# Altium PCB PCB2.0.PcbDoc
Units mil, origin at the board's own origin, x right, y up, seen from the top; angles counter-clockwise.
Board outline 3799.48 x 2470.74 mil, 2 copper layers (Top Layer, Bottom Layer); 63 components, 40 nets, 230 pads, 89 vias.
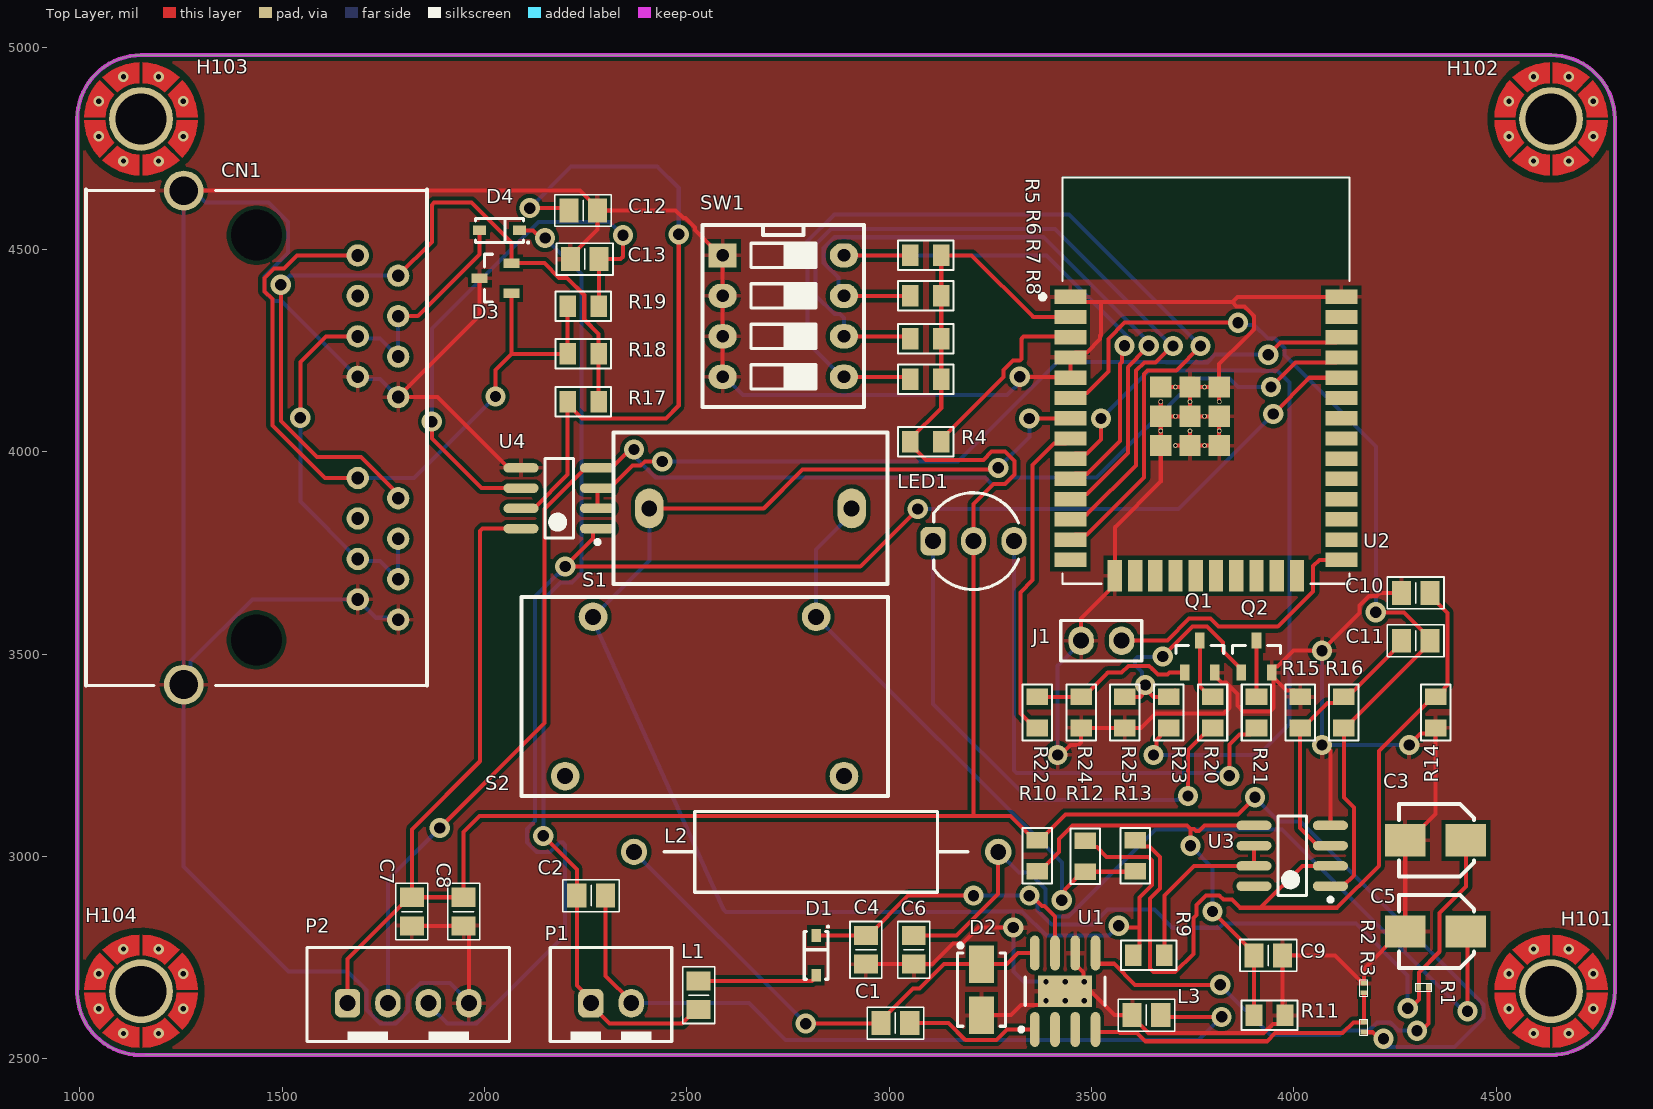
[diagram p0: Top Layer view]
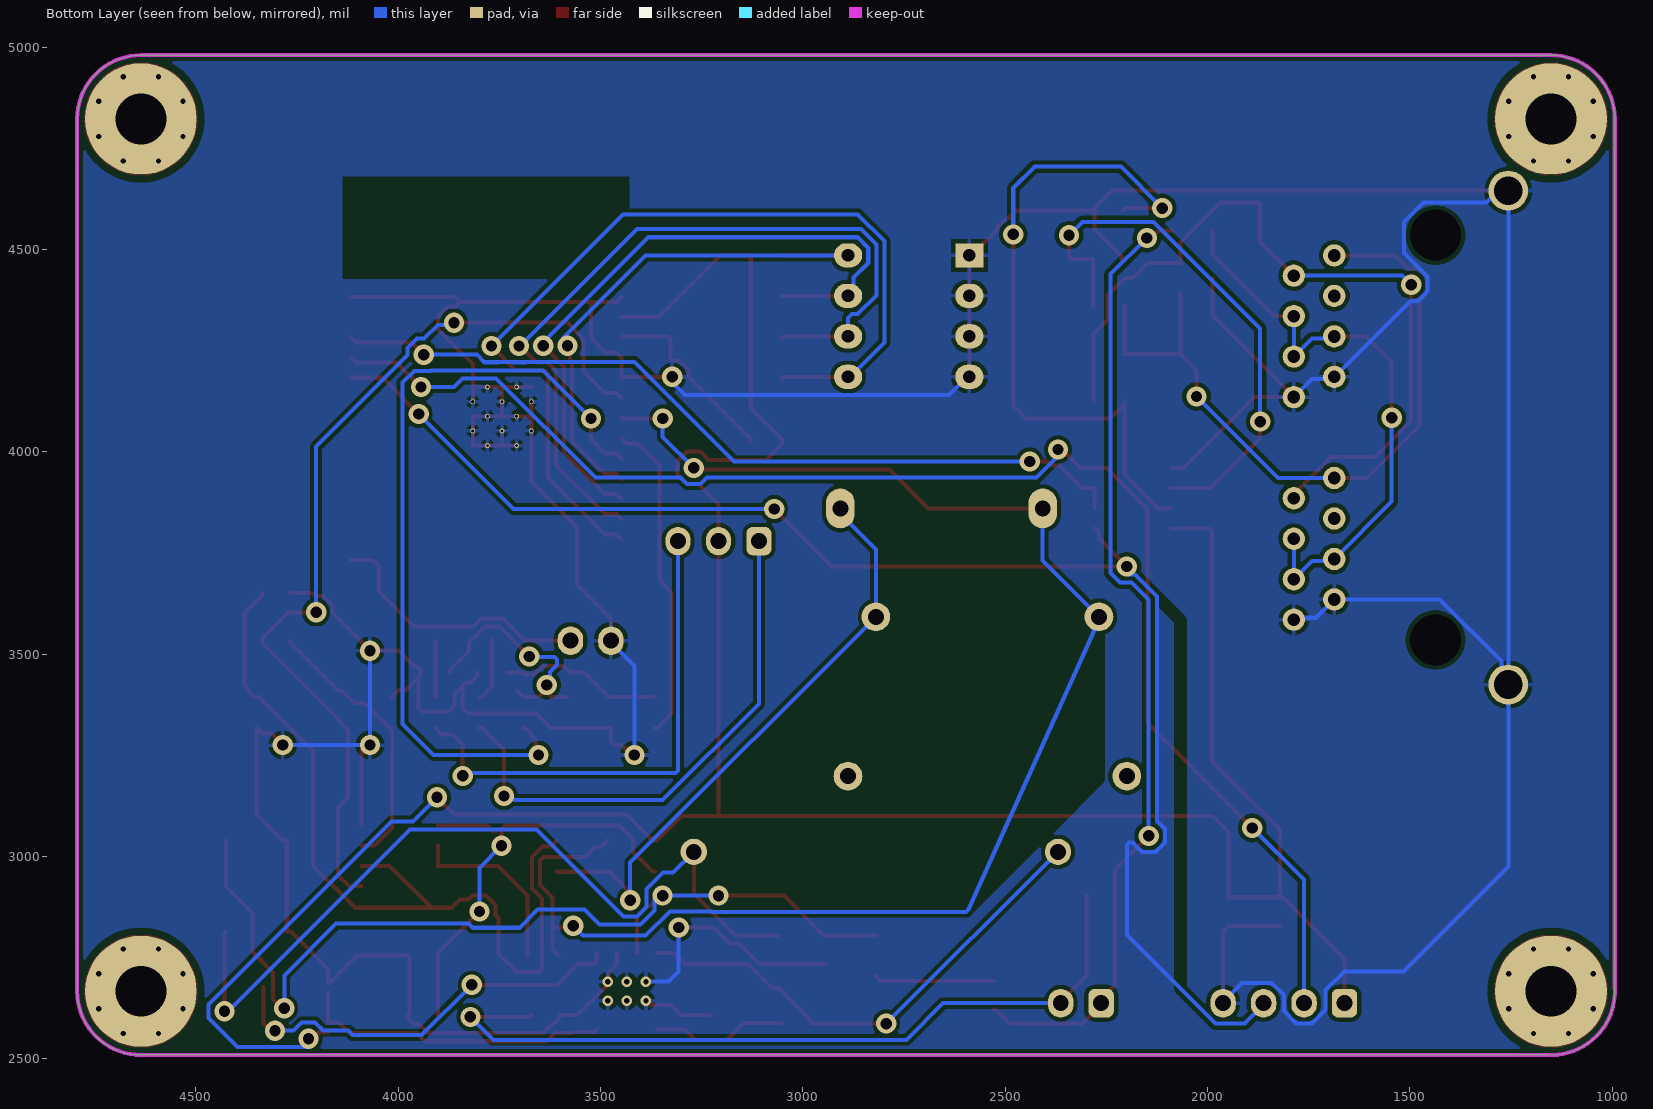
[diagram p1: Bottom Layer view, seen from below]

## Layer stack, top to bottom
Top Solder: solder mask 0.4, Solder Resist, Dk 3.5
Top Layer: signal copper 1.4
Dielectric 1: dielectric 12.6, FR-4, Dk 4.8
Bottom Layer: signal copper 1.4
Bottom Solder: solder mask 0.4, Solder Resist, Dk 3.5

## Board outline
994.09,2677.17 994.09,4822.83 cw(c1151.57,4822.83) 1151.57,4980.31 4635.83,4980.31 cw(c4635.83,4822.83) 4793.31,4822.83 4793.31,2667.32 cw(c4635.83,2667.32) 4635.83,2509.84 1161.42,2509.84 cw(c1151.57,2667.32)

## Design rules (kind name [scope] priority, off if disabled: settings)
Clearance [All] p1: gap=10 ignorepadtopadclearanceinfootprint=FALSE except(0: Arc-Hole Track-Hole SMDPad-Hole THPad-Hole Via-Hole Fill-Hole Poly-Hole Region-Hole Text-Hole)
ComponentClearance [InComponent('H*') OR InComponent('S1')] p1: gap=0 collisioncheckmode=3 verticalgap=0 showdistances=FALSE
Height [All] p1: minheight=0 maxheight=1181.1 prefheight=500
PolygonConnect [All] p1: connectstyle=Relief reliefconductorwidth=10 reliefentries=4 polygonreliefangle="90 Angle" airgapwidth=10
RoutingVias [All] p1: holewidth=28 width=50 viastyle="Through Hole" minholewidth=28 minwidth=50 maxholewidth=28 maxwidth=50
SolderMaskExpansion [All] p1: expansion=4 istentingtop=FALSE
Width [All] p1: maxlimit=78.74 minlimit=7.87 preferedwidth=15.75 minimp=50.000000 maximp=50.000000 favimp=50.000000
28 further rules are at their usual default settings.

## Classes and differential pairs
component class SlideSwitchMCU: R5 R6 R7 R8 SW1
component class RS-485: C12 C13 CN1 D3 D4 R17 R18 R19 U4
component class HighCurrentLED: LED1 Q2 R20 R21 R22 R23 R24 R25
component class ESP32-WROM-32: C7 C8 J1 P2 R4 U2
component class CurrentSensor: C9 C10 C11 R9 R10 R11 R12 R13 R14 R15 R16 S1 S2 U3
component class 3.3VRegulator: C1 C2 C3 C4 C5 C6 D1 D2 H101 H102 H103 H104 L1 L2 L3 P1 R1 R2 R3 U1

## Components (designator, comment, footprint, x,y, rotation, side; value= is the part's Value field where it differs from the comment)
C1 "10nF" "C 0805" 3015.75,2588.58 r180 top
C2 "1.2uF" "C 0805" 2263.78,2903.54 r0 top
C3 "100uF/35V" "C SMD ALU (B)" 4350.39,3040.35 r180 top
C4 "0.1uF" "C 0805" 2942.91,2769.68 r270 top
C5 "220uF/16V" "C SMD ALU (B)" 4350.39,2814.96 r180 top
C6 "0.1uF" "C 0805" 3061.02,2769.68 r270 top
C7 "0.1uF" "C 0805" 1820.87,2864.17 r270 top
C8 "22uF" "C 0805" 1948.82,2864.17 r270 top
C9 "1uF" "C 0805" 3937.01,2755.91 r180 top
C10 "100pF" "C 0805" 4301.18,3651.57 r180 top
C11 "100pF" "C 0805" 4301.18,3533.46 r0 top
C12 "N/A" "C 0805" 2244.09,4596.46 r180 top
C13 "N/A" "C 0805" 2248.03,4476.38 r180 top
CN1 "RJ45 x2" CONN/RJ45/x2 1437.01,4035.43 r270 top
D1 "Diode" SOD323 2819.69,2755.91 r270 top
D2 "SS34" "DO-214AC (SMA)" 3228.35,2671.26 r90 top
D3 "CDSOT23-SM712" SOT-23 2027.56,4429.13 r180 top
D4 "Diode" SOD323 2037.4,4547.24 r180 top
H101 "Screw Hole" SCREW/3.2/7.0/M 4635.83,2667.32 r0 top
H102 "Screw Hole" SCREW/3.2/7.0/M 4635.83,4822.83 r0 top
H103 "Screw Hole" SCREW/3.2/7.0/M 1151.57,4822.83 r0 top
H104 "Screw Hole" SCREW/3.2/7.0/M 1151.57,2667.32 r0 top
J1 "BOOT" JUMP/2/Open 3574.41,3533.46 r180 top
L1 "FB" "L 0805 (2012)" 2529.53,2657.48 r90 top
L2 "Inductor Iron" AXIAL-0.9 2819.69,3011.81 r0 top value=15mH
L3 "FB" "L 0805 (2012)" 3635.83,2608.27 r180 top
LED1 "Led 3pin 2color" "LED 3PIN 2COLOR 5MM" 3108.66,3779.53 r180 top
P1 "Header 2" HDR/Header/2/BOX/RED 2312.99,2637.8 r90 top
P2 "Header 4" HDR/Header/4/BOX/WHITE 1811.81,2637.8 r0 top
Q1 "MMBT3904LT1G" SOT-23 3767.72,3494.09 r90 top
Q2 "MMBT3904LT1G" SOT-23 3907.87,3494.09 r90 top
R1 "N/A" RES-SMD-0201 4320.87,2677.17 r180 top
R2 "10k" RES-SMD-0201 4173.23,2578.74 r270 top
R3 "5.9k" RES-SMD-0201 4173.23,2675.2 r270 top
R4 "10k" "R 0805" 3090.55,4025.59 r180 top
R5 "10k" "R 0805" 3090.55,4485.43 r0 top
R6 "10k" "R 0805" 3090.55,4385.43 r0 top
R7 "10k" "R 0805" 3090.55,4279.92 r0 top
R8 "10k" "R 0805" 3090.55,4179.92 r0 top
R9 "1k" "R 0805" 3641.73,2755.91 r180 top
R10 "1k" "R 0805" 3366.14,3001.97 r90 top
R11 "1k" "R 0805" 3939.96,2608.27 r0 top
R12 "100" "R 0805" 3484.25,3000.98 r90 top
R13 "1k" "R 0805" 3607.87,3001.97 r270 top
R14 "1k" "R 0805" 4350.39,3356.3 r90 top
R15 "1k" "R 0805" 4015.75,3356.3 r270 top
R16 "1k" "R 0805" 4124.02,3356.3 r270 top
R17 "10" "R 0805" 2244.09,4124.02 r0 top
R18 "120" "R 0805" 2244.09,4242.13 r0 top
R19 "10" "R 0805" 2244.09,4360.24 r180 top
R20 "R" "R 0805" 3799.21,3356.3 r270 top
R21 "R" "R 0805" 3907.87,3356.3 r90 top
R22 "4.7k" "R 0805" 3366.14,3356.3 r90 top
R23 "4.7k" "R 0805" 3690.94,3356.3 r270 top
R24 "47k" "R 0805" 3474.41,3356.3 r270 top
R25 "47k" "R 0805" 3582.68,3356.3 r90 top
S1 "TA12" TA12 2657.48,3860.43 r180 top
S2 "TA17" TA17 2544.09,3395.67 r180 top
SW1 "SW DIP-4" SW/DIP4 2588.58,4485.43 r270 top
U1 "TPS530" "SOIC-8 EP" 3435.04,2667.32 r90 top
U2 "ESP32-WROOM-32" MODULE_ESP32-WROOM-32 3782.87,4176.18 r0 top
U3 "LM358" SOIC-8 3996.06,3001.97 r180 top
U4 "MAX485" SOIC-8 2185.04,3885.43 r180 top

## Footprints (in the part's own frame and the unit in brackets; to place one, negate y for a bottom-side part, rotate by r counter-clockwise, add the part's x,y. Pads: shape width x height; smd on the part's side, far side on the other; paste and mask are expansions set on the pad)
AXIAL-0.9 [mm] "Axial Device, Thru-Hole; 2 Leads; 0.9 in Pin Spacing"
  round 1.65 hole 1: 1(-11.43,0) 2(11.43,0)
  silkscreen extent -9.53,-2.54 9.53,2.54
"C 0805" [mm] "Chip Capacitor, 2-Leads, Body 2.0x1.3mm, IPC Medium Density"
  rect 1.2x1.5 smd: 1(-0.9,0) 2(0.9,0)
  silkscreen extent -1.78,-1 1.78,1, body extent -1,-0.64 1,0.61, height 0.6
"C SMD ALU (B)" [mil] "SMD Aluminum Electrolytic Capacitor, size D (4.0 x 5.4 mm)"
  rect 100x80 smd: 1(-75,0) 2(75,0)
  silkscreen extent -95,-90 90,90, body extent -91,-85 91,85, height 213
CONN/RJ45/x2 [mm]
  round 1.4 hole 0.8: 1(-11.43,6.35) 2(-10.16,8.89) 3(-8.89,6.35) 4(-7.62,8.89) 5(-6.35,6.35) 6(-5.08,8.89) 7(-3.81,6.35) 8(-2.54,8.89) 11(2.54,6.35) 12(3.81,8.89) 13(5.08,6.35) 14(6.35,8.89) 15(7.62,6.35) 16(8.89,8.89) 17(10.16,6.35) 18(11.43,8.89)
  round 2.5 hole 1.8: 9(-15.5,-4.57) 10(15.5,-4.57)
  round 0 hole 3.2 unplated: HOLE(-12.7,0) HOLE(12.7,0)
  silkscreen extent -15.56,-10.7 15.56,10.7, body extent -15.5,-10.7 15.56,10.7, height 13.46
"DO-214AC (SMA)" [mm] "Molded Diode, 2-Leads, Body 4.3x2.7mm, IPC Medium Density"
  rect 2.35x1.55 smd: 1(-1.6,0) 2(1.6,0)
  silkscreen extent -2.3,-1.5 2.89,1.5, body extent -2.6,-1.3 2.6,1.3, height 2.4
HDR/Header/2/BOX/RED [mm]
  rrect50% 1.8x1.6 hole 1: 1(0,1.27)
  oval 1.8x1.6 hole 1: 2(0,-1.27)
  silkscreen extent -2.41,-3.81 3.5,3.81, body extent -2.35,-3.7 3.4,3.7, height 7
HDR/Header/4/BOX/WHITE [mm]
  rrect50% 1.6x1.8 hole 1: 1(-3.81,0)
  oval 1.6x1.8 hole 1: 2(-1.27,0) 3(1.27,0) 4(3.81,0)
  silkscreen extent -6.35,-2.41 6.35,3.5, body extent -6.2,-2.3 6.2,3.45, height 7
JUMP/2/Open [mm]
  oval 1.6x1.8 hole 1: 1(0,0) 2(2.54,0)
  silkscreen extent -1.27,-1.27 3.81,1.27, body extent -1.27,-1.27 3.81,1.27, height 8.89
"L 0805 (2012)" [mm] "Chip Capacitor, 2-Leads, Body 2.0x1.3mm, IPC Medium Density"
  rect 1.2x1.5 smd: 1(-0.9,0) 2(0.9,0)
  silkscreen extent -1.78,-1 1.78,1, body extent -1,-0.6 1,0.6, height 0.95
"LED 3PIN 2COLOR 5MM" [mil]
  rrect50% 62x70 hole 39: 1(0,0)
  oval 62x70 hole 39: 2(-100,0) 3(-200,0)
  silkscreen extent -211,-120 -2,120, body extent -218,-118 -2,118, height 335
MODULE_ESP32-WROOM-32 [mm]
  rect 2x0.9 smd: 1(-8.5,5.26) 2(-8.5,3.99) 3(-8.5,2.72) 4(-8.5,1.45) 5(-8.5,0.18) 6(-8.5,-1.09) 7(-8.5,-2.36) 8(-8.5,-3.63) 9(-8.5,-4.9) 10(-8.5,-6.17) 11(-8.5,-7.44) 12(-8.5,-8.71) 13(-8.5,-9.98) 14(-8.5,-11.25) 25(8.5,-11.25) 26(8.5,-9.98) 27(8.5,-8.71) 28(8.5,-7.44) 29(8.5,-6.17) 30(8.5,-4.9) 31(8.5,-3.63) 32(8.5,-2.36) 33(8.5,-1.09) 34(8.5,0.18) 35(8.5,1.45) 36(8.5,2.72) 37(8.5,3.99) 38(8.5,5.26)
  rect 0.9x2 smd: 15(-5.715,-12.25) 16(-4.445,-12.25) 17(-3.175,-12.25) 18(-1.905,-12.25) 19(-0.635,-12.25) 20(0.635,-12.25) 21(1.905,-12.25) 22(3.175,-12.25) 23(4.445,-12.25) 24(5.715,-12.25)
  rect 1.33x1.33 smd: 39(-2.835,-4.075) 39(-2.835,-2.24) 39(-2.835,-0.405) 39(-1,-4.075) 39(-1,-2.24) 39(-1,-0.405) 39(0.835,-4.075) 39(0.835,-2.24) 39(0.835,-0.405)
  round 0.3 hole 0.2: 39(-2.835,-3.157) 39(-2.835,-1.322) 39(-1.917,-4.075) 39(-1.917,-2.24) 39(-1.917,-0.405) 39(-1,-3.157) 39(-1,-1.322) 39(-0.082,-4.075) 39(-0.082,-2.24) 39(-0.082,-0.405) 39(0.835,-3.157) 39(0.835,-1.322)
  Top Layer pour cut-out: -9.017,12.827 -9.017,6.35 9.017,6.35 9.017,12.827
  Bottom Layer pour cut-out: -9.017,12.827 -9.017,6.35 9.017,6.35 9.017,12.827
  silkscreen extent -10.4,-12.75 9,12.75, body extent -9,-12.75 9,12.75, height 2.91
"R 0805" [mm] "Chip Resistor, 2-Leads, Body 2.0x1.3mm, IPC Medium Density"
  rect 1.05x1.35 smd: 1(-0.975,0) 2(0.975,0)
  silkscreen extent -1.75,-0.92 1.75,0.92, body extent -1,-0.61 1,0.59, height 0.5
RES-SMD-0201 [mm]
  rect 0.3x0.4 smd: 1(-0.3,0) 2(0.3,0)
  silkscreen extent -0.51,-0.25 0.51,0.25, body extent -0.3,-0.15 0.3,0.15, height 0.22
SCREW/3.2/7.0/M [mm]
  round 4 / inner round 7 / far side round 7 hole 3.2: 1(0,0)
  Top Layer pour cut-out: -4,0 -3.696,1.531 -2.828,2.828 -1.531,3.695 0,4 0,4 1.531,3.695 2.828,2.828 3.695,1.531 4,0 4,0 3.696,-1.531 2.828,-2.828 1.531,-3.696 0,-4 0,-4 -1.531,-3.696 -2.828,-2.828 -3.696,-1.531 -4,0
  Top Layer region: -2.25,0.1 -2.225,0.325 -2.175,0.575 -2.1,0.8 -2.025,0.975 -1.95,1.125 -1.875,1.25 -1.775,1.375 -1.675,1.5 -2.6,2.425 -2.775,2.225 -2.925,2.025 -3.05,1.825 -3.175,1.6 -3.275,1.375 -3.35,1.175 -3.425,0.95 -3.475,0.725 -3.5,0.6 -3.525,0.45 -3.55,0.1
  Top Layer region: -2.25,-0.1 -2.225,-0.325 -2.175,-0.575 -2.1,-0.8 -2.025,-0.975 -1.95,-1.125 -1.875,-1.25 -1.775,-1.375 -1.675,-1.5 -2.6,-2.425 -2.775,-2.225 -2.925,-2.025 -3.05,-1.825 -3.175,-1.6 -3.275,-1.375 -3.35,-1.175 -3.425,-0.95 -3.475,-0.725 -3.5,-0.6 -3.525,-0.45 -3.55,-0.1
  Top Layer region: -0.1,2.25 -0.325,2.225 -0.575,2.175 -0.8,2.1 -0.975,2.025 -1.125,1.95 -1.25,1.875 -1.375,1.775 -1.5,1.675 -2.425,2.6 -2.225,2.775 -2.025,2.925 -1.825,3.05 -1.6,3.175 -1.375,3.275 -1.175,3.35 -0.95,3.425 -0.725,3.475 -0.6,3.5 -0.45,3.525 -0.1,3.55
  Top Layer region: 0.1,2.25 0.325,2.225 0.575,2.175 0.8,2.1 0.975,2.025 1.125,1.95 1.25,1.875 1.375,1.775 1.5,1.675 2.425,2.6 2.225,2.775 2.025,2.925 1.825,3.05 1.6,3.175 1.375,3.275 1.175,3.35 0.95,3.425 0.725,3.475 0.6,3.5 0.45,3.525 0.1,3.55
  Top Layer region: 2.25,-0.1 2.225,-0.325 2.175,-0.575 2.1,-0.8 2.025,-0.975 1.95,-1.125 1.875,-1.25 1.775,-1.375 1.675,-1.5 2.6,-2.425 2.775,-2.225 2.925,-2.025 3.05,-1.825 3.175,-1.6 3.275,-1.375 3.35,-1.175 3.425,-0.95 3.475,-0.725 3.5,-0.6 3.525,-0.45 3.55,-0.1
  Top Layer region: 2.25,0.1 2.225,0.325 2.175,0.575 2.1,0.8 2.025,0.975 1.95,1.125 1.875,1.25 1.775,1.375 1.675,1.5 2.6,2.425 2.775,2.225 2.925,2.025 3.05,1.825 3.175,1.6 3.275,1.375 3.35,1.175 3.425,0.95 3.475,0.725 3.5,0.6 3.525,0.45 3.55,0.1
  Top Layer region: 0.1,-2.25 0.325,-2.225 0.575,-2.175 0.8,-2.1 0.975,-2.025 1.125,-1.95 1.25,-1.875 1.375,-1.775 1.5,-1.675 2.425,-2.6 2.225,-2.775 2.025,-2.925 1.825,-3.05 1.6,-3.175 1.375,-3.275 1.175,-3.35 0.95,-3.425 0.725,-3.475 0.6,-3.5 0.45,-3.525 0.1,-3.55
  Top Layer region: -0.1,-2.25 -0.325,-2.225 -0.575,-2.175 -0.8,-2.1 -0.975,-2.025 -1.125,-1.95 -1.25,-1.875 -1.375,-1.775 -1.5,-1.675 -2.425,-2.6 -2.225,-2.775 -2.025,-2.925 -1.825,-3.05 -1.6,-3.175 -1.375,-3.275 -1.175,-3.35 -0.95,-3.425 -0.725,-3.475 -0.6,-3.5 -0.45,-3.525 -0.1,-3.55
  Bottom Layer pour cut-out: -4,0 -3.696,1.531 -2.828,2.828 -1.531,3.695 0,4 0,4 1.531,3.695 2.828,2.828 3.695,1.531 4,0 4,0 3.696,-1.531 2.828,-2.828 1.531,-3.696 0,-4 0,-4 -1.531,-3.696 -2.828,-2.828 -3.696,-1.531 -4,0
SOD323 [mm]
  rect 0.8x0.6 smd: 1(1.25,0) 2(-1.25,0)
  silkscreen extent -1.85,-0.75 1.5,0.8, body extent -1.3,-0.67 1.3,0.68, height 1.1
SOIC-8 [mm] "SOIC, 8-Leads, Body 5.0x4.0mm (max), Pitch 1.27mm, IPC Medium Density"
  oval 2.2x0.6 smd: 1(-2.4,1.905) 2(-2.4,0.635) 3(-2.4,-0.635) 4(-2.4,-1.905) 5(2.4,-1.905) 6(2.4,-0.635) 7(2.4,0.635) 8(2.4,1.905)
  silkscreen extent -2.53,-2.5 0.9,2.88, body extent -3,-2.49 3,2.41, height 1.75
"SOIC-8 EP" [mm] "SOIC, 8-Leads, Body 5.0x4.0mm (max), Pitch 1.27mm, IPC Medium Density"
  oval 2.2x0.6 smd: 1(-2.4,1.905) 2(-2.4,0.635) 3(-2.4,-0.635) 4(-2.4,-1.905) 5(2.4,-1.905) 6(2.4,-0.635) 7(2.4,0.635) 8(2.4,1.905)
  rect 2x3.4 smd: 9(0,0)
  silkscreen extent -2.52,-2.5 0.9,2.88, body extent -3,-2.49 3,2.41, height 1.75
SOT-23 [mm] "SOT23, 3-Leads, Body 3.0x2.5mm (max), Pitch 0.95mm, IPC Medium Density"
  rect 1x0.6 smd: 1(-1,0.95) 2(-1,-0.95) 3(1,0)
  silkscreen extent 0.2,-1.5 0.7,1.5, body extent -1.28,-1.46 1.27,1.46, height 0.95
SW/DIP4 [mil]
  rect 60x70 hole 31: 1(0,0)
  oval 60x70 hole 31: 2(100,0) 3(200,0) 4(300,0) 5(300,300) 6(200,300) 7(100,300) 8(0,300)
  silkscreen extent -75,-50 375,350, body extent -50,0 350,300, height 165
TA12 [mm]
  oval 1.8x2.5 hole 1: 1(-6.35,0) 2(6.35,0)
  silkscreen extent -8.6,-4.75 8.6,4.75, body extent -8.6,-4.75 8.6,4.75, height 20.4
TA17 [mm]
  round 1.8 hole 1: 1(-7,-5) 2(7,-5) 3(8.75,5) 4(-8.75,5)
  silkscreen extent -11.5,-6.25 11.5,6.25, body extent -11.5,-6.25 11.5,6.25, height 26

## Part data
C1 C2 C4 C6 C7 C8 C9 C10 C11 C12 C13: library part "Capacitor NP", "Capacitor non-pol"
C3 C5: library part Capacitor, "Capacitor pol"
CN1: library part "CON RJ45 x2", "Connector RJ45 X2"
D1 D4: "Default Diode"
D2: library part "Diode Zener", "Zener Diode"
D3: "TVS DIODE 7V/12V 14V/26V SOT23-3"
J1: library part "JUMP 2"
L1 L3: library part Inductor, "Inductor"
L2: "Magnetic-Core Inductor", LatestRevisionDate=17-Jul-2002, LatestRevisionNote="Re-released for DXP Platform.", PackageDescription="Axial Device, Thru-Hole; 2 Leads; 0.9 in Pin Spacing", PackageReference=AXIAL-0.9, Published=24-Mar-1999, Publisher="Altium Limited"
LED1: "Typical LED 3-pin 2-color"
P1: "Header, 2-Pin"
P2: "Header, 4-Pin"
Q1 Q2: library part "Transistor NPN", "NPN Bipolar Transistor"
R1 R2 R3: library part Res-SMD, "Resistor", Manufacturer="Generic Components", Class=Passive, Published=08/06/2000, Publisher="Altium Hobart Technology Centre"
R4 R5 R6 R7 R8 R9 R10 R11 R12 R13 R14 R15 R16 R17 R18 R19 R20 R21 R22 R23 R24 R25: library part Resistor, "Resistor"
U1: library part TPS54xx, "3/5A, Wide input range, Step-down SWIFT DC-DC Converter"
U2: "Bluetooth, WiFi 802.11b/g/n, Bluetooth v4.2 + EDR, Class 1, 2 and 3 Transceiver Module 2.4GHz ~ 2.5GHz Integrated, Trace Surface Mount", PACKAGE="Module Espressif Systems", Availability=Unavailable, MF="Espressif Systems", MP=ESP32-WROOM-32D, Price=None, SnapEDA_Link=https://www.snapeda.com/parts/ESP32-WROOM-32D/Espressif%20Systems/view-part/2768115/?ref=snap
U3: "Low Power Dual Operational Amplifiers"
U4: "Low-Power, Slew-Rate-Limited  RS-485/RS-422 Transceivers"
H101 H102 H103 H104: TYPE=NO-BOM, UNIT PRICE=0

## Via types
v1: diameter 50, hole 28, Top Layer to Bottom Layer, 51 vias
v2: diameter 25.98, hole 12.99, Top Layer to Bottom Layer, 38 vias

## Nets (pads, with @x,y where several pads share a name; then routed paths per layer and width w, separated by ;. In a path a pad name is that pad's centre, name@x,y a point inside that pad or via, vN(x,y) a via of type N, cw(c..) or ccw(c..) an arc to the next point about the centre after c; other vN are vias at no path point)
3V3: C7.1 C8.1 LED1.2 P2.1 R2.2 R4.2 R5.2 R6.2 R7.2 R8.2 R10.2 U2.2 U4.8 | length 7005.3
  Top Layer w10: P2.1 1661.81,2746.46 1814.96,2899.61 C7.1 ; U4.8 1995.42,3810.43 1989.57,3804.58 1989.57,3235.63 1820.87,3066.93 C7.1 ; U2.2 3356.3,4333.27 3204.13,4485.43 R5.2 R6.2 R7.2 R8.2 3128.94,4108.27 3052.17,4031.5 R4.2 3052.17,4019.69 3091.42,3980.43 3233.12,3980.43 3253.12,4000.43 3286.25,4000.43 3309.69,3977 3309.69,3943.86 3286.25,3920.43 3257.97,3920.43 3208.66,3871.13 LED1.2 3208.66,3100.39 ; v1(3904.35,3146.47) 3861.65,3103.78 3435.47,3103.78 3372.05,3040.35 R10.2 3360.24,3040.35 3300.2,3100.39 3208.66,3100.39 ; R2.2 4174.13,2566.02 4194.81,2566.02 4210.99,2549.84 v1(4221.81,2549.84) ; C7.1 C8.1 1948.82,3061.02 1988.19,3100.39 3208.66,3100.39
  Bottom Layer w10: v1(3904.35,3146.47) 3963.86,3086.97 4016.84,3086.97 4469.13,2634.68 4469.13,2601.54 4397.43,2529.84 4227.67,2529.84 4227.67,2543.98 v1(4221.81,2549.84)
3V3/2: R9.2 R12.2 S1.2 S2.2 U2.7 | length 3784
  Top Layer w10: S1.2 2690.34,3860.43 2786.6,3956.69 3265.94,3956.69 v1(3269.69,3960.43) ; v1(3346.46,4082.44) 3447.4,4082.44 U2.7 ; R12.2 3499.92,3023.7 3513.31,3023.7 3537.76,2999.25 3640.66,2999.25 3649.45,2990.47 3649.45,2929.44 3619.02,2899.01 3619.02,2824.8 ; v1(3567.37,2829.18) 3571.75,2824.8 3619.02,2824.8 ; R9.2 3619.02,2771.57 3619.02,2824.8
  Bottom Layer w10: S1.2 2407.48,3731.5 S2.2 2268.5,3584.24 2590.93,2869.48 2596.79,2863.62 2600.93,2863.62 3225.15,2863.62 3226.33,2864.8 3329.01,2864.8 3388.69,2805.12 3543.31,2805.12 v1(3567.37,2829.18) ; v1(3269.69,3960.43) 3346.46,4037.2 v1(3346.46,4082.44)
ADC1_CH6: C11.2 R16.2 U2.6 U3.1 | length 2342.9
  Top Layer w10: U2.6 3460.94,4145.98 3489.24,4145.98 3541.73,4198.47 3541.73,4279.01 3582.03,4319.31 v1(3862.19,4319.31) ; U3.1 4122.05,2926.97 4148.86,2953.78 4148.86,3121.63 4124.02,3146.47 R16.2 4129.92,3317.91 4145.59,3333.58 4145.59,3336.54 4336.61,3527.56 C11.2 4336.61,3539.37 4272.36,3603.62 v1(4202.76,3603.62)
  Bottom Layer w10: v1(3862.19,4319.31) 3867.67,4313.83 3902.19,4313.83 3935.78,4280.24 3953.58,4280.24 3977.01,4256.8 3977.01,4239.01 4202.76,4013.26 v1(4202.76,3603.62)
GND: C3.2 C4.2 C5.2 C6.2 C7.2 C8.2 C9.1 C10.2 C12.1 C13.2 CN1.7 CN1.8 CN1.9 CN1.10 CN1.17 CN1.18 D2.1 D3.3 J1.2 L3.2 P2.4 Q1.2 Q2.2 R3.1 R11.2 R14.1 R15.1 R24.2 R25.1 SW1.1 SW1.2 SW1.3 SW1.4 U1.6 U1.9 U2.1 U2.4 U2.5 U2.15 U2.38 U2.39 U3.4 U4.5 | length 15483.9
  Top Layer w10: CN1.9 2236.22,4645.67 2279.53,4602.36 C12.1 ; C7.2 C8.2 1961.81,2815.75 P2.4 ; D3.3 1988.19,4336.61 CN1.8 1884.06,4135.43 2059.06,3960.43 U4.5 ; C13.2 2212.6,4482.28 2279.53,4549.21 C12.1 ; SW1.4 SW1.3 SW1.2 SW1.1 2583.58,4485.43 2520.32,4548.7 2520.32,4553.97 2496.88,4577.4 2491.61,4577.4 2472.56,4596.46 C12.1 ; C4.2 C6.2 3107.1,2734.25 3157.97,2785.12 3181.23,2785.12 3220.91,2824.8 v1(3307.09,2824.8) ; D2.1 3301.14,2608.27 3325.83,2632.95 3377.05,2632.95 v2(3387.8,2643.7) ; v1(3322.87,4185.43) 3446.06,4185.43 U2.5 U2.4 3460.94,4245.98 3489.24,4245.98 3521.73,4278.47 3521.73,4287.29 3523.62,4289.18 3523.62,4370.55 ; v1(3416.45,3251.17) 3424.02,3251.17 3448.52,3275.67 3468.55,3275.67 3474.41,3281.53 R24.2 3622.49,3317.91 3658.16,3353.58 3826.57,3353.58 3840.79,3367.8 3840.79,3421.57 ; U2.1 3460.94,4370.55 3523.62,4370.55 ; U1.6 3460.04,2734 3480.46,2713.58 3480.46,2692.77 v2(3482.28,2690.94) 3482.28,2683.29 3557.3,2608.27 L3.2 3600.39,2602.36 3619.02,2583.74 3621.42,2583.74 3641.42,2563.74 3925.5,2563.74 3948.46,2586.69 3962.68,2586.69 3978.35,2602.36 R11.2 3972.44,2614.17 C9.1 4102.36,2755.91 4171.26,2687.01 R3.1 4173.23,2722.8 4265.39,2814.96 C5.2 C3.2 4285.39,3040.35 4350.39,3105.35 R14.1 4336.43,3303.95 4313.68,3303.95 v1(4285.39,3275.67) ; J1.2 3474.41,3588.78 3557.87,3672.24 U2.15 3557.87,3813.78 3671.26,3927.17 3671.26,4015.75 3671.26,4051.87 U2.39@3671.26,4087.99 ; U2.39@3671.26,4124.11 U2.39@3671.26,4087.99 ; U2.39@3671.26,4160.24 3707.38,4160.24 U2.39@3743.5,4160.24 ; U2.39@3707.38,4015.75 U2.39@3743.5,4015.75 ; U2.39@3743.5,4051.87 U2.39@3743.5,4015.75 ; Q1.2 3805.12,3446.85 3821.61,3430.35 3832,3430.35 3840.79,3421.57 ; U2.39@3815.75,4124.11 U2.39@3815.75,4160.24 ; R15.1 4000.08,3410.35 3981.77,3410.35 Q2.2@3949.45,3442.68 ; v1(4069.88,3275.67) 4076.69,3275.67 4090.55,3261.81 U3.4 ; U2.38 3861.14,4383.27 3847.97,4370.1 ; C10.2 4212.6,3651.57 4204.65,3643.62 4186.19,3643.62 4162.76,3620.19 4162.76,3601.73 v1(4069.88,3508.86) 3999.41,3508.86 3959.96,3469.41 3952.09,3469.41 3945.28,3462.6 Q2.2 3945.28,3446.85 Q2.2@3949.45,3442.68 ; 3523.62,4370.55 3847.51,4370.55 3847.97,4370.1 ; U2.39@3671.26,4087.99 3707.38,4087.99 U2.39@3743.5,4087.99 ; U2.39@3743.5,4015.75 3779.63,4015.75 3815.75,4015.75 3815.75,4051.87 3815.75,4087.99 3779.63,4087.99 U2.39@3743.5,4087.99 ; U2.39@3743.5,4087.99 3743.5,4124.11 U2.39@3743.5,4160.24 ; U2.39@3743.5,4160.24 3779.63,4160.24 U2.39@3815.75,4160.24 ; U2.39@3815.75,4160.24 3815.75,4217.14 3877.91,4279.31 3878.76,4279.31 3902.19,4302.74 3902.19,4335.88 3878.76,4359.31 3858.76,4359.31 3847.97,4370.1 ; 3840.79,3421.57 3860.79,3401.57 3860.79,3373.31 3875.09,3359.02 3940.66,3359.02 3949.45,3367.8 Q2.2@3949.45,3442.68
  Bottom Layer w10: CN1.18 1782.24,3590.2 1732.24,3590.2 CN1.17 1426.71,3635.43 1274.01,3482.73 1274.01,3442.12 CN1.10 ; CN1.8 1741.78,4180.67 1691.78,4180.67 CN1.7 1499.25,4373.2 1480.49,4373.2 1457.05,4396.63 1457.05,4433.74 1515,4491.68 1515,4567.74 1466.6,4616.14 1310.54,4616.14 1281.01,4645.67 CN1.9 CN1.10 ; P2.4 1961.81,2641.73 1915.31,2688.23 1842.55,2688.23 1811.81,2657.49 1811.81,2618.1 1781.07,2587.36 1742.55,2587.36 1708.31,2621.61 1708.31,2670.22 1661.99,2716.54 1515.75,2716.54 1257.09,2975.2 CN1.10 ; SW1.4 2593.58,4185.43 2638.58,4140.43 3291.61,4140.43 3325.6,4174.42 3325.6,4182.71 v1(3322.87,4185.43) ; v1(3307.09,2824.8) 3307.09,2716.54 3332.68,2690.94 v2(3387.8,2690.94) ; v1(3416.45,3251.17) 3416.45,3471.57 3474.41,3529.53 J1.2 ; v1(4069.88,3508.86) v1(4069.88,3275.67) v1(4285.39,3275.67)
  other v2: 3435.04,2643.7 3482.28,2643.7 3435.04,2690.94
LED0: R22.1 U2.8 | length 803.8
  Top Layer w10: R22.1 3360.24,3317.91 3324.57,3353.58 3324.57,3652.85 3354.66,3682.95 3354.66,3968 3407.21,4020.55 3435.51,4020.55 U2.8
LED1: R23.2 U2.9 | length 1971.3
  Top Layer w10: U2.9 3460.94,3995.98 3489.24,3995.98 3523.62,4030.36 v1(3523.62,4082.44) ; v1(3653.24,3251.17) 3660.89,3258.83 3660.89,3287.86 3669.37,3296.34 3669.37,3302.24 3685.04,3317.91 R23.2
  Bottom Layer w10: v1(3523.62,4082.44) 3642.32,4201.14 3919.53,4201.14 3920.44,4200.24 3960.27,4200.24 3989.45,4171.06 3989.45,3328.11 3912.51,3251.17 v1(3653.24,3251.17)
NetC1_1: C1.1 U1.1 | length 336.8
  Top Layer w10: C1.1 3146.65,2588.58 3188.22,2547.01 3265.07,2547.01 3290.9,2572.83 U1.1
NetC1_2: C1.2 D2.2 L2.1 U1.8 | length 1241.9
  Top Layer w10: v1(2794.13,2587.36) 2979.09,2587.36 C1.2 2980.32,2594.49 3059.51,2673.68 3074.82,2673.68 3135.39,2734.25 D2.2 3291.15,2734.25 3318.71,2761.81 U1.8
  Bottom Layer w10: L2.1 v1(2794.13,2587.36)
NetC5_1: C5.1 C6.1 L2.2 | length 2080
  Top Layer w10: C6.1 3166.65,2805.12 3269.69,2908.16 L2.2 ; C5.1 4429.13,2811.22 v1(4429.13,2618.11)
  Bottom Layer w10: L2.2 3320.75,2960.74 3346.2,2960.74 3386.76,2920.19 3386.76,2875.57 3410.19,2852.14 3443.32,2852.14 3658.15,3066.97 3970.43,3066.97 4419.29,2618.11 v1(4429.13,2618.11)
NetC9_2: C9.2 R10.1 R11.1 U3.5 | length 1137.5
  Top Layer w10: R10.1 3372.05,2963.58 3419.59,3011.13 3419.59,3043.17 3453.39,3076.97 3736.4,3076.97 3744.68,3068.68 ; v1(3744.68,3026.97) 3744.68,3063.78 3744.68,3068.68 ; v1(3799.21,2864.17) 3901.57,2761.81 C9.2 R11.1 ; U3.5 3779.35,3076.97 3766.16,3063.78 3757.87,3063.78 3752.97,3068.68 3744.68,3068.68
  Bottom Layer w10: v1(3744.68,3026.97) 3799.21,2972.44 v1(3799.21,2864.17)
NetC10_1: C10.1 R13.1 R14.2 U3.2 | length 2120.4
  Top Layer w10: R13.1 3623.54,3024.68 3643.51,3024.68 3669.45,2998.75 3669.45,2921.16 3644.45,2896.16 3644.45,2723.12 3653.24,2714.33 3707,2714.33 3751.92,2759.25 3751.92,2848.74 3759.21,2856.04 3759.21,2880.74 3782.64,2904.17 3815.78,2904.17 3826.29,2893.66 3847.26,2893.66 3867.26,2873.66 3917.68,2873.66 ; U3.2 4020.99,2976.97 3917.68,2873.66 ; C10.1 4336.61,3645.67 4379.92,3602.36 4379.92,3424.21 4371.97,3416.26 4371.97,3410.35 4356.3,3394.69 R14.2 4344.49,3394.69 4210.39,3260.59 4210.39,2977.4 4106.66,2873.66 3917.68,2873.66
NetC11_1: C11.1 R15.2 R16.1 U3.3 | length 683.1
  Top Layer w10: U3.3 4059.06,3026.97 4015.75,3070.28 R15.2 4021.65,3317.91 4082.76,3379.02 4108.35,3379.02 R16.1 4139.69,3410.35 4148.54,3410.35 4265.75,3527.56 C11.1
NetC12_2: C12.2 R17.1 U4.7 | length 1701.1
  Top Layer w10: U4.7 2122.05,3860.43 2205.71,3944.09 R17.1@2205.71,4118.11 ; v1(2112.2,4602.36) 2202.76,4602.36 C12.2 ; R17.1 R17.1@2205.71,4118.11 ; v1(2480.32,4537.4) 2480.32,4114.17 2448.58,4082.44 2241.38,4082.44 R17.1@2205.71,4118.11
  Bottom Layer w10: v1(2112.2,4602.36) 2214.57,4704.72 2427.17,4704.72 2480.32,4651.57 v1(2480.32,4537.4)
NetC13_1: C13.1 R19.1 U4.6 | length 1369.6
  Top Layer w10: v1(1870.08,4074.8) 1870.08,4033.42 1993.06,3910.43 U4.6 ; R19.1 2283.46,4361.22 C13.1 2336.66,4476.38 2342.52,4482.24 v1(2342.52,4535.43)
  Bottom Layer w10: v1(1870.08,4074.8) 1870.08,4305.05 2133.58,4568.55 2309.4,4568.55 v1(2342.52,4535.43)
NetD1_1: D1.1 L1.2 | length 298.2
  Top Layer w10: L1.2 2809.84,2692.91 2819.69,2702.76 D1.1
NetJ1_1: J1.1 U2.25 | length 679
  Top Layer w10: J1.1 3642.81,3533.46 3643.75,3534.4 3687.66,3534.4 3741.41,3588.15 3794.03,3588.15 3814.03,3568.15 3960.43,3568.15 4047.48,3655.2 4047.48,3717.59 4063.15,3733.27 U2.25
NetLED1_1: LED1.1 R20.2 | length 1331.4
  Top Layer w10: v1(3738.65,3149.61) 3738.65,3263.26 3793.31,3317.91 R20.2
  Bottom Layer w10: LED1.1 3108.66,3377.56 3346.46,3139.76 3712.8,3139.76 3714.99,3141.95 3731,3141.95 v1(3738.65,3149.61)
NetLED1_3: LED1.3 R21.1 | length 1266
  Top Layer w10: v1(3840.79,3199.5) 3840.79,3277.24 3865.79,3302.24 3892.2,3302.24 R21.1
  Bottom Layer w10: LED1.3 3308.66,3212.94 3314.52,3207.09 3833.2,3207.09 v1(3840.79,3199.5)
NetQ1_1: Q1.1 R22.2 R24.1 | length 407.1
  Top Layer w10: R22.2 R24.1 3480.31,3394.68 3540.35,3454.72 3574.52,3454.72 3591.26,3471.46 3642.32,3471.46 3649.57,3464.21 3649.71,3464.21 3664.2,3449.72 3687.83,3449.72 3692.84,3454.72 Q1.1
NetQ1_3: Q1.3 R20.1 | length 155.3
  Top Layer w10: Q1.3 3767.72,3420.28 3793.31,3394.69 R20.1
NetQ2_1: Q2.1 R23.1 R25.2 | length 603.8
  Top Layer w10: R25.2 3621.42,3394.69 3625.49,3398.75 3625.49,3416.56 v1(3633.14,3424.21) 3633.14,3415.23 3653.68,3394.69 R23.1 R23.1@3706.61,3410.35 ; v1(3675.95,3494.4) 3749.69,3568.15 3785.74,3568.15 3824.7,3529.19 3824.7,3508.37 3870.47,3462.6 Q2.1
  Bottom Layer w10: v1(3633.14,3424.21) 3625.49,3431.87 3625.49,3456.2 3607.83,3473.86 3607.83,3486.89 3613.69,3492.75 3674.29,3492.75 v1(3675.95,3494.4)
NetQ2_3: Q2.3 R21.2 | length 138.8
  Top Layer w10: R21.2 Q2.3
NetR1_1: R1.1 U1.5 | length 1036.6
  Top Layer w10: U1.5 3510.04,2741.61 3516.33,2735.31 3555.48,2735.31 3607.51,2683.29 v1(3818.28,2683.29) ; v1(4304.37,2569.84) 4315.16,2569.84 4332.68,2587.36 R1.1
  Bottom Layer w10: v1(3818.28,2683.29) 3942.51,2559.06 4112.64,2559.06 4123.42,2569.84 4185.24,2569.84 4205.24,2589.84 4238.38,2589.84 4258.38,2569.84 v1(4304.37,2569.84)
NetR2_1: R2.1 R3.2 U1.4 | length 767.5
  Top Layer w10: U1.4 3515.94,2566.93 3567.37,2566.93 3570.56,2563.74 3613.14,2563.74 3633.14,2543.74 3933.79,2543.74 3953.79,2563.74 4120.83,2563.74 4147.64,2590.55 R2.1 R3.2
NetR4_1: R4.1 U2.3 | length 470.4
  Top Layer w10: R4.1 3128.94,4031.5 3282.87,4185.43 3282.87,4202 3306.31,4225.43 3322.87,4225.43 3326.77,4229.33 3326.77,4279.58 3332.63,4285.43 3446.06,4285.43 U2.3
NetR9_1: R9.1 U3.6 U3.7 | length 449.5
  Top Layer w10: R9.1 3680.12,2903.54 3753.54,2976.97 U3.7 U3.6
NetR12_1: R12.1 R13.2 S1.1 S2.1 | length 1477.9
  Top Layer w10: v1(3426.76,2892.14) 3434.41,2899.8 3434.41,2918.66 3478.35,2962.6 R12.1 3606.89,2962.6 R13.2
  Bottom Layer w10: S1.1 2907.48,3846.65 2819.69,3758.86 S2.1 3426.76,2985.45 v1(3426.76,2892.14)
PGND: C2.2 L3.1 P1.2 | length 1963.8
  Top Layer w10: C2.2 2299.21,2705.51 2362.99,2641.73 P1.2 ; L3.1 3675.58,2603.94 v1(3821.61,2603.94)
  Bottom Layer w10: P1.2 2653.34,2637.8 2743.78,2547.36 3765.03,2547.36 v1(3821.61,2603.94)
RS485_5V: CN1.4 CN1.5 CN1.6 CN1.14 CN1.15 CN1.16 D4.1 | length 1478.5
  Top Layer w10: v1(1545.28,4084.65) 1545.28,4222.44 1608.27,4285.43 CN1.5 ; CN1.4 1835.43,4335.43 1988.19,4488.19 D4.1
  Bottom Layer w10: v1(1545.28,4084.65) 1545.28,3877.17 CN1.15 1691.78,3730.67 1741.78,3730.67 CN1.16 CN1.14 ; CN1.5 1691.78,4280.67 1741.78,4280.67 CN1.6 CN1.4
RS485_A: CN1.1 CN1.11 D3.1 R18.1 R19.2 | length 1842.1
  Top Layer w10: CN1.11 1605.91,3935.43 1476.38,4064.96 1476.38,4377.3 1457.05,4396.63 1457.05,4429.76 1480.49,4453.2 1504.77,4453.2 1537.01,4485.43 CN1.1 ; v1(2027.56,4137.01) 2027.56,4202.76 2066.93,4242.13 ; D3.1 2066.93,4242.13 ; R19.2 R18.1 2066.93,4242.13
  Bottom Layer w10: CN1.11 1825.98,3935.43 v1(2027.56,4137.01)
RS485_B: CN1.2 CN1.12 D3.2 R17.2 R18.2 | length 2002.2
  Top Layer w10: v1(1497.05,4413.2) 1497.05,4076.3 1586.4,3986.95 1695.67,3986.95 1787.01,3895.62 CN1.12 ; CN1.2 1870.08,4518.5 1870.08,4610.28 1875.94,4616.14 1968.06,4616.14 2066.93,4517.28 D3.2 2148.08,4466.54 2184.83,4429.78 2204.62,4429.78 2246.81,4387.59 2246.81,4327.45 2282.48,4291.78 R18.2 R17.2
  Bottom Layer w10: v1(1497.05,4413.2) 1519.29,4435.43 CN1.2
RS485_EN: U2.36 U4.2 U4.3 | length 2044
  Top Layer w10: U4.2 U4.3 2311.02,3910.43 2366.5,3965.91 2386.25,3965.91 2396.73,3976.38 v1(2439.76,3976.38) ; v1(3937.01,4240.24) 3967.32,4270.55 4104.8,4270.55 U2.36
  Bottom Layer w10: v1(2439.76,3976.38) 3170.39,3976.38 3416.45,4222.44 3684.2,4222.44 3685.16,4221.48 3718.29,4221.48 3719.25,4222.44 3752.16,4222.44 3753.12,4221.48 3786.25,4221.48 3805.01,4240.24 v1(3937.01,4240.24)
RXD0: P2.3 U2.34 U4.1 | length 3760
  Top Layer w10: U4.1 2274.42,3810.43 2268.13,3804.14 2268.13,3785.43 v1(2199.61,3716.91) 2928.82,3716.91 v1(3070.87,3858.96) ; v1(3949.45,4093.74) 4038.98,4183.27 U2.34
  Bottom Layer w10: P2.3 1861.81,2633.86 1908.31,2587.36 1981.07,2587.36 2199.61,2805.9 2199.61,3028.55 2193.75,3034.41 2185.46,3034.41 2162.24,3011.18 2129.1,3011.18 2105.67,3034.61 2105.67,3067.75 2125.67,3087.75 2125.67,3642.98 2179.61,3696.91 2193.75,3696.91 2199.61,3702.77 v1(2199.61,3716.91) ; v1(3070.87,3858.96) 3714.67,3858.96 v1(3949.45,4093.74)
SW1: R5.1 SW1.8 U2.10 | length 1376.6
  Top Layer w10: SW1.8 R5.1 ; U2.10 3460.94,3945.98 3489.24,3945.98 3570.08,4026.82 3570.08,4217.48 3575.04,4222.44 3575.04,4255.75 v1(3581.73,4262.44)
  Bottom Layer w10: SW1.8 3388.58,4485.43 3592.52,4281.5 3581.73,4270.71 v1(3581.73,4262.44)
SW2: R6.1 SW1.7 U2.11 | length 1708.2
  Top Layer w10: SW1.7 R6.1 ; U2.11 3460.94,3895.98 3489.24,3895.98 3590.08,3996.82 3590.08,4209.2 3612.52,4231.64 3612.52,4233.23 v1(3641.73,4262.44)
  Bottom Layer w10: SW1.7 2874.94,4399.07 2874.94,4430.43 2838.58,4466.79 2838.58,4504.07 2864.94,4530.43 3381.1,4530.43 3641.73,4269.8 v1(3641.73,4262.44)
SW3: R7.1 SW1.6 U2.12 | length 2022.6
  Top Layer w10: SW1.6 3046.65,4285.43 R7.1 ; U2.12 3460.94,3845.98 3489.24,3845.98 3610.08,3966.82 3610.08,4200.91 3630.58,4221.42 3658.87,4221.42 3688.32,4250.87 3701.72,4250.87 v1(3701.72,4261.48)
  Bottom Layer w10: SW1.6 2888.58,4330.43 2878.58,4340.43 2864.94,4340.43 2818.58,4386.79 2818.58,4512.36 2856.66,4550.43 3410.31,4550.43 3699.26,4261.48 v1(3701.72,4261.48)
SW4: R8.1 SW1.5 U2.13 | length 2343.8
  Top Layer w10: SW1.5 3046.65,4185.43 R8.1 ; U2.13 3460.94,3795.98 3489.24,3795.98 3630.08,3936.82 3630.08,4192.63 3638.87,4201.42 3709.62,4201.42 v1(3769.68,4261.48)
  Bottom Layer w10: SW1.5 2883.58,4185.43 2798.58,4270.43 2798.58,4520.64 2864.56,4586.61 3444.55,4586.61 v1(3769.68,4261.48)
TXD0: P2.2 U2.35 U4.4 | length 3602.7
  Top Layer w10: v1(1889.76,3070.87) 2148.86,3329.96 2148.86,3858.96 2250.33,3960.43 U4.4 2314.71,3960.43 2360.18,4005.91 v1(2369.69,4005.91) ; v1(3943.7,4160.24) 4004.02,4220.55 4104.8,4220.55 U2.35
  Bottom Layer w10: P2.2 1761.81,2942.91 v1(1889.76,3070.87) ; v1(2369.69,4005.91) 2369.69,3989.89 2423.2,3936.38 3237.17,3936.38 3253.12,3920.43 3286.25,3920.43 3302.2,3936.38 3513.09,3936.38 3757.85,4181.14 3841.47,4181.14 3862.37,4160.24 v1(3943.7,4160.24)
VIN: C2.1 D4.2 L1.1 P1.1 | length 2407.3
  Top Layer w10: D4.2 2120.63,4547.24 2139.32,4528.55 v1(2150.14,4528.55) ; v1(2145.67,3051.18) 2228.35,2968.5 C2.1 2228.35,2682.07 2262.99,2647.42 P1.1 2262.99,2633.86 2309.49,2587.36 2488.94,2587.36 2523.62,2622.05 L1.1
  Bottom Layer w10: v1(2145.67,3051.18) 2145.67,3634.69 2187.89,3676.91 2216.17,3676.91 2239.61,3700.34 2239.61,4439.09 v1(2150.14,4528.55)
VIN_FIL: C3.1 C4.1 D1.2 R1.2 U1.7 | length 2378.6
  Top Layer w10: D1.2 C4.1 2948.82,2805.12 3047.24,2903.54 3208.5,2903.54 v1(3208.58,2903.62) ; v1(3346.76,2903.62) 3351.64,2903.62 3377.48,2877.78 3384.55,2877.78 3410.04,2852.29 U1.7 ; v1(4281.5,2625.31) 4287.25,2625.31 4309.06,2647.12 R1.2 4309.06,2713.58 4360.39,2764.92 4360.39,2861.17 4425.39,2926.17 C3.1
  Bottom Layer w10: v1(3208.58,2903.62) 3366.06,2903.62 3366.06,2896.27 3366.76,2895.57 3366.76,2867.29 3401.9,2832.14 3502.99,2832.14 3540.02,2869.18 3655.4,2869.18 3700.41,2824.17 3815.78,2824.17 3825.94,2834.33 4153.86,2834.33 4281.5,2706.69 v1(4281.5,2625.31)
pads on no net: CN1.3 CN1.13 CN1.HOLE H101.1 H102.1 H103.1 H104.1 S2.3 S2.4 U1.2 U1.3 U2.14 U2.16 U2.17 U2.18 U2.19 U2.20 U2.21 U2.22 U2.23 U2.24 U2.26 U2.27 U2.28 U2.29 U2.30 U2.31 U2.32 U2.33 U2.37 U3.8
copper on no net:
  other v2: 1108.27,2562.99 1194.88,2562.99 4592.52,2562.99 4679.13,2562.99 1047.24,2624.02 1255.91,2624.02 4531.5,2624.02 4740.16,2624.02 1047.24,2710.63 1255.91,2710.63 4531.5,2710.63 4740.16,2710.63 1108.27,2771.65 1194.88,2771.65 4592.52,2771.65 4679.13,2771.65 1108.27,4718.5 1194.88,4718.5 4592.52,4718.5 4679.13,4718.5 1047.24,4779.53 1255.91,4779.53 4531.5,4779.53 4740.16,4779.53 1047.24,4866.14 1255.91,4866.14 4531.5,4866.14 4740.16,4866.14 1108.27,4927.17 1194.88,4927.17 4592.52,4927.17 4679.13,4927.17

## Polygon pours and split planes (outlines as drawn)
GND on Top Layer "GND_L01_P000" (solid, remove dead copper, pour order 0): 4793.31,4980.31 4793.31,2509.84 994.09,2509.84 994.09,4980.31
GND on Bottom Layer "GND_L02_P001" (solid, remove dead copper, pour order 1): 994.09,4980.31 4793.31,4980.31 4793.31,2509.84 999.46,2509.84 994.09,2515.21

## Keep-outs
Keep-Out Layer:
  the board outline again, w10

## Text inside footprints (layer, text, board x,y; h text height)
U2: Mechanical 13 "ANTENNA" at 3546.65,4530.51 h70